# Altium PCB SAMW25_Xplained_Pro.PcbDoc (part 3 of 9)
Units mm, origin at the board's own origin, x right, y up, seen from the top; angles counter-clockwise.
Board outline 60 x 60 mm, 4 copper layers (Top Layer LF-signals, GND, POWER, Bottom Layer LF-signals), stack 1.602 mm thick; 139 components, 107 nets, 540 pads, 303 vias.
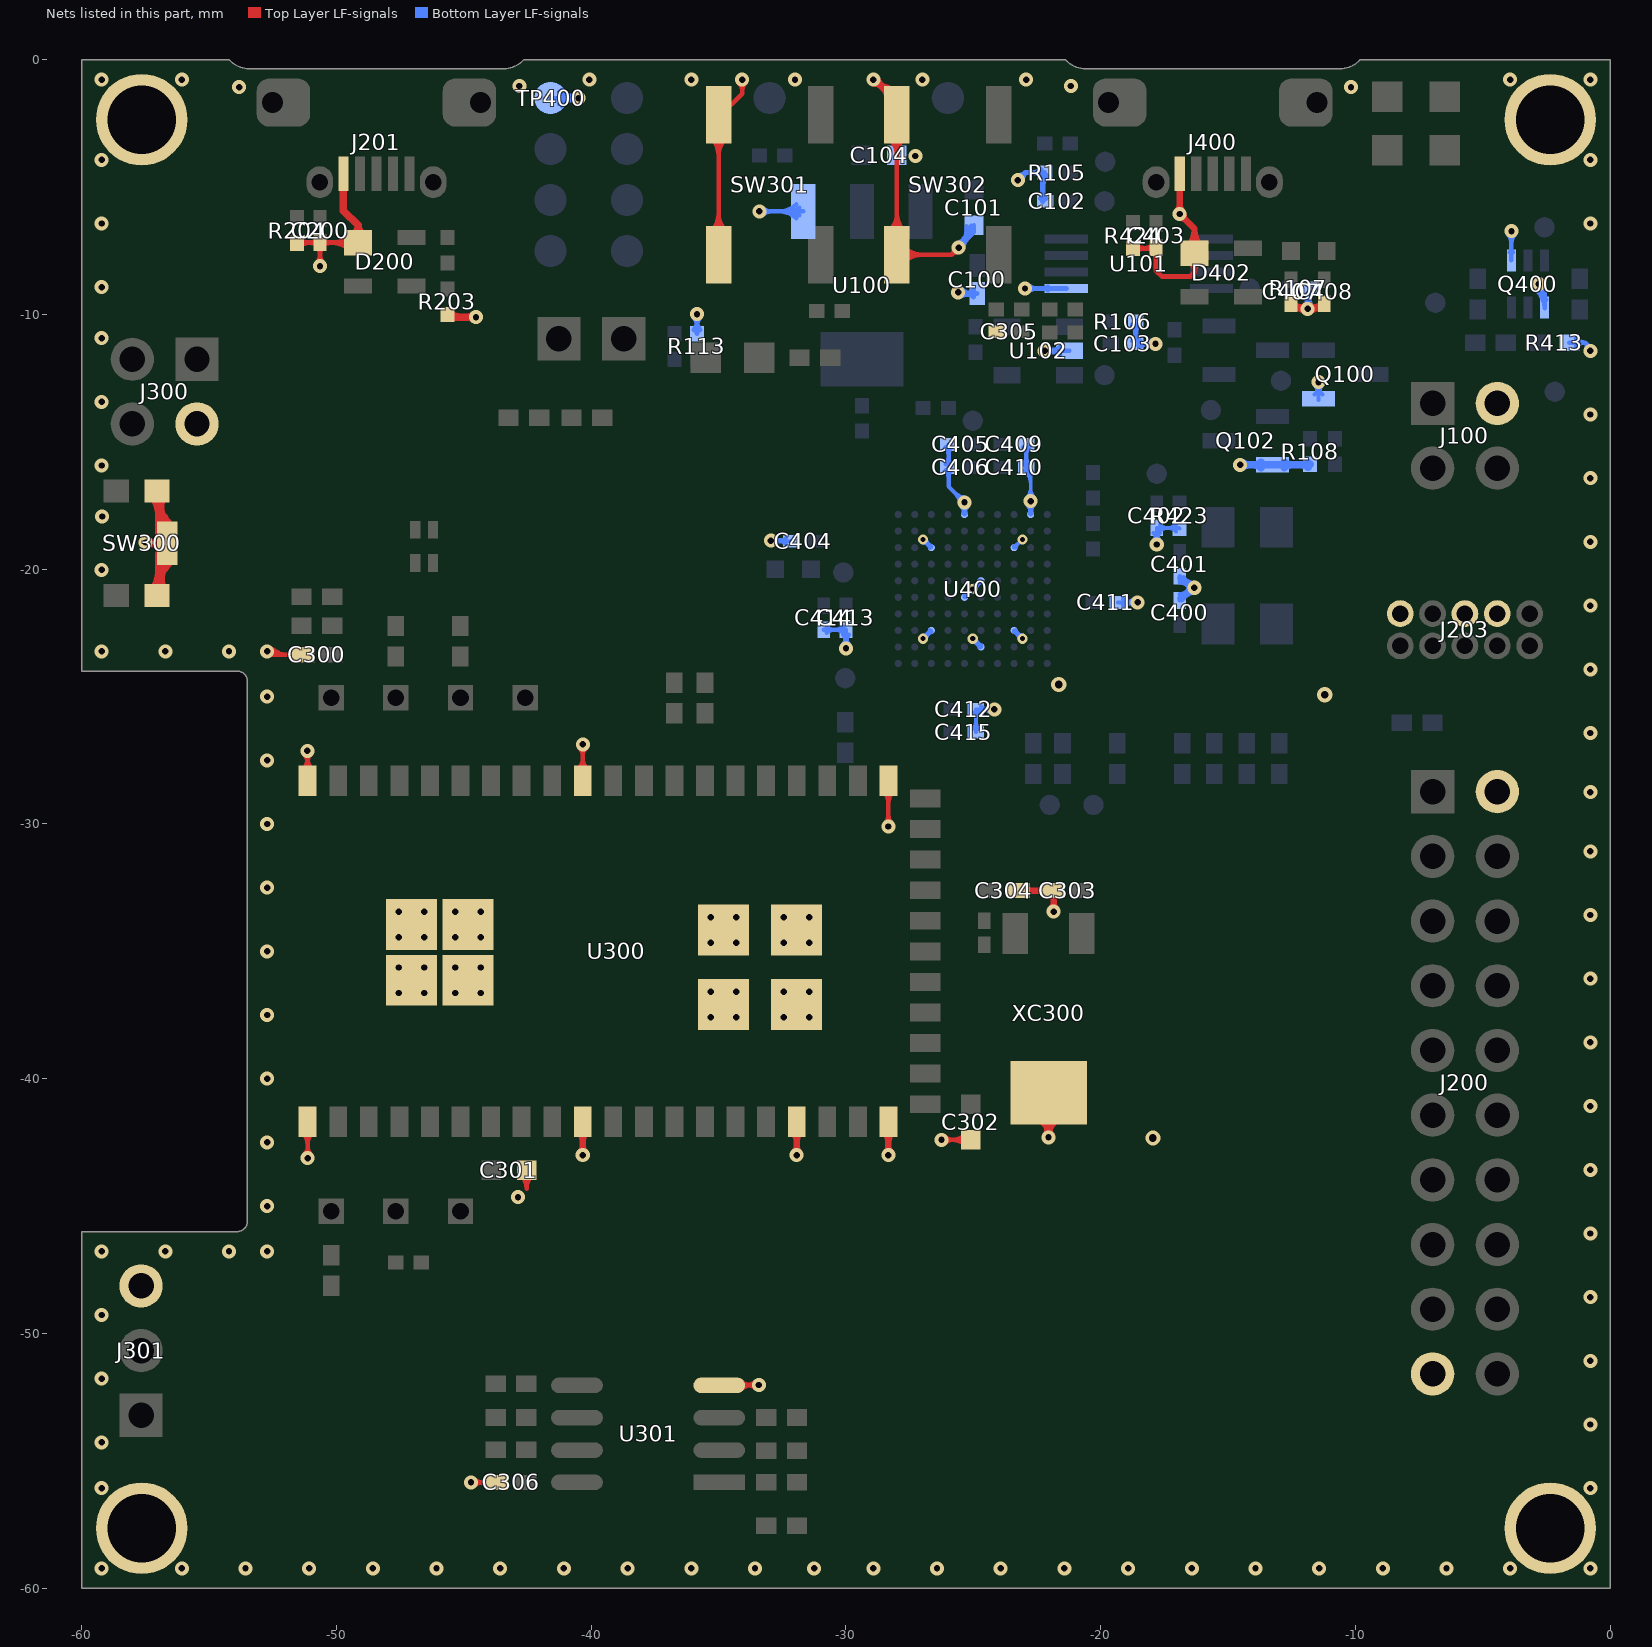
[diagram p5: the nets of this part, all layers, seen from the top]

## Via types
v1: diameter 0.55, hole 0.25, Top Layer LF-signals to Bottom Layer LF-signals, tented both sides, 213 vias
v2: diameter 0.55, hole 0.25, Top Layer LF-signals to Bottom Layer LF-signals, 46 vias
v3: diameter 0.55/0.8 (per signal layer), hole 0.25, Top Layer LF-signals to Bottom Layer LF-signals, tented top, 18 vias
v4: diameter 0.4, hole 0.2, Top Layer LF-signals to Bottom Layer LF-signals, 15 vias
v5: diameter 0.55, hole 0.25, Top Layer LF-signals to Bottom Layer LF-signals, tented top, 8 vias
v6: diameter 0.6, hole 0.3, Top Layer LF-signals to Bottom Layer LF-signals, tented both sides, 3 vias

## Nets (pads, with @x,y where several pads share a name; then routed paths per layer and width w, separated by ;. In a path a pad name is that pad's centre, name@x,y a point inside that pad or via, vN(x,y) a via of type N, cw(c..) or ccw(c..) an arc to the next point about the centre after c; other vN are vias at no path point) (continued)
GND: C100.2 C101.2 C102.2 C103.2 C104.2 C200.1 C300.2 C301.2 C302.2 C303.2 C304.2 C305.2 C306.2 C400.2 C401.2 C402.2 C403.1 C404.2 C405.2 C406.2 C407.2 C408.2 C409.2 C410.2 C411.2 C412.2 C413.2 C414.2 C415.2 D200.1 D402.1 J100.2@-4.43,-13.49 J200.2@-4.43,-28.73 J200.19@-6.97,-51.59 J201.5 J203.3 J203.5 J203.9 J300.2 J301.3 J400.5 pad.666 Q100.1 Q102.2 Q400.1 Q400.4 R105.1 R106.1 R107.1 R108.1 R113.1 R203.1 R204.1 R413.1 R423.1 R424.1 SW300.1 SW300.3 SW300.5 SW301.1 SW301.2 SW302.1 SW302.2 TP400.1 U100.1 U101.5 U102.2 U300.0 U300.1 U300.10 U300.17 U300.20 U300.32 U300.42 U300.51 U301.4 U400.B10 U400.C3 U400.C8 U400.E2 U400.E6 U400.F5 U400.F10 U400.H3 U400.H8 XC300.3 | length 659.3
  Top Layer LF-signals w0.175: v1(-57.5,-18.95) -57.475,-18.975 SW300.5@-56.65,-18.975 -57.05,-18.575 SW300.1@-57.05,-16.925 ; SW300.3@-57.05,-21.025 SW300.5@-57.05,-19.375 ; v1@-52.6,-23.35 C300.2@-51.325,-23.35 ; v1(-51.15,-27.125) -51.135,-27.14 U300.51@-51.135,-28.296 ; v1@-51.135,-43.117 U300.1@-51.135,-41.696 ; v1(-44.725,-55.85) C306.2@-43.7,-55.85 ; C301.2@-42.744,-43.808 cw(c-43.245,-44.309) -42.537,-44.309 cw(c-41.828,-44.309) C301.2@-42.329,-43.808 ; -42.537,-44.312 C301.2@-42.537,-43.6 ; U300.42@-40.335,-28.296 v1@-40.335,-26.875 ; SW301.1@-35,-7.65 SW301.2@-35,-2.15 ; U301.4@-34.96,-52.025 v1(-33.425,-52.025) ; SW301.2@-34.95,-2.75 -34.95,-2.2 -34.075,-1.325 v1(-34.075,-0.775) ; v1(-28.335,-30.1) U300.32@-28.335,-28.296 ; SW302.1@-28.292,-6.733 ccw(c-28.996,-6.029) -28,-6.029 ccw(c-27.004,-6.029) SW302.1@-27.708,-6.733 ; SW302.1@-28.168,-6.857 ccw(c-28.573,-6.452) -28,-6.452 ccw(c-27.427,-6.452) SW302.1@-27.832,-6.857 ; SW302.1@-27.975,-7.675 SW302.1@-28,-7.65 ; SW302.1@-27.832,-7.818 cw(c-27.427,-8.223) -27.427,-7.65 cw(c-27.427,-7.077) SW302.1@-27.832,-7.482 ; SW302.1@-27.708,-7.942 cw(c-27.004,-8.646) -27.004,-7.65 cw(c-27.004,-6.654) SW302.1@-27.708,-7.358 ; v1(-26.25,-42.4) v1(-26.25,-42.4) C302.2@-25.11,-42.399 ; v1@-25.761,-7.396 cw(c-26.069,-7.431) -25.85,-7.65 ; v1@-25.596,-7.561 ccw(c-25.631,-7.869) -25.85,-7.65 ; v1(-25.575,-7.375) -25.85,-7.65 ; v1(-22.05,-42.3) v1@-22.046,-42.296 ; XC300.3@-22.046,-40.549 v1@-22.046,-42.296 ; v1@-57.406,-19.112 cw(c-57.179,-19.506) -57.061,-19.067 ; v1@-57.406,-19.112 cw(c-57.179,-19.506) -57.061,-19.067 ; v1@-57.406,-19.112 cw(c-57.179,-19.506) -57.061,-19.067 ; v1@-57.406,-19.112 cw(c-57.179,-19.506) -57.061,-19.067 ; v1@-57.406,-19.112 cw(c-57.179,-19.506) -57.061,-19.067 ; v1@-57.406,-19.112 cw(c-57.179,-19.506) -57.061,-19.067 ; v1@-57.404,-18.975 cw(c-57.404,-19.729) SW300.5@-56.871,-19.196 ; v1@-57.404,-18.975 ccw(c-57.404,-18.221) SW300.5@-56.871,-18.754 ; v1@-57.404,-18.975 ccw(c-57.404,-18.221) SW300.5@-56.871,-18.754 ; v1@-57.404,-18.975 cw(c-57.404,-19.729) SW300.5@-56.871,-19.196 ; v1@-57.404,-18.975 ccw(c-57.404,-18.221) SW300.5@-56.871,-18.754 ; v1@-57.404,-18.975 cw(c-57.404,-19.729) SW300.5@-56.871,-19.196 ; v1@-57.367,-19.083 cw(c-57.108,-19.342) -57.108,-18.975 ; v1@-57.367,-19.083 cw(c-57.108,-19.342) -57.108,-18.975 ; v1@-57.367,-19.083 cw(c-57.108,-19.342) -57.108,-18.975 ; v1@-57.367,-18.817 ccw(c-56.987,-18.437) SW300.5@-56.987,-18.975 ; v1@-57.367,-18.817 ccw(c-56.987,-18.437) SW300.5@-56.987,-18.975 ; v1@-57.367,-18.817 ccw(c-56.987,-18.437) SW300.5@-56.987,-18.975 ; v1@-57.362,-18.823 ccw(c-57.175,-18.649) -57.109,-18.896 ; v1@-57.362,-18.823 ccw(c-57.175,-18.649) -57.109,-18.896 ; v1@-57.362,-18.823 ccw(c-57.175,-18.649) -57.109,-18.896 ; v1@-57.362,-18.823 ccw(c-57.175,-18.649) -57.109,-18.896 ; v1@-57.362,-18.823 ccw(c-57.175,-18.649) -57.109,-18.896 ; v1@-57.362,-18.823 ccw(c-57.175,-18.649) -57.109,-18.896 ; v1@-57.338,-19.044 cw(c-57.09,-19.187) -57.164,-18.911 ; v1@-57.338,-19.044 cw(c-57.09,-19.187) -57.164,-18.911 ; v1@-57.338,-19.044 cw(c-57.09,-19.187) -57.164,-18.911 ; v1@-57.338,-19.044 cw(c-57.09,-19.187) -57.164,-18.911 ; v1@-57.338,-19.044 cw(c-57.09,-19.187) -57.164,-18.911 ; v1@-57.338,-19.044 cw(c-57.09,-19.187) -57.164,-18.911 ; v1@-57.338,-18.856 ccw(c-56.947,-18.631) -57.064,-19.066 ; v1@-57.338,-18.856 ccw(c-56.947,-18.631) -57.064,-19.066 ; v1@-57.338,-18.856 ccw(c-56.947,-18.631) -57.064,-19.066 ; v1@-57.338,-18.856 ccw(c-56.947,-18.631) -57.064,-19.066 ; v1@-57.338,-18.856 ccw(c-56.947,-18.631) -57.064,-19.066 ; v1@-57.338,-18.856 ccw(c-56.947,-18.631) -57.064,-19.066 ; SW300.3@-57.306,-20.769 ccw(c-57.925,-20.15) -57.05,-20.15 ; SW300.3@-57.306,-20.769 ccw(c-57.925,-20.15) -57.05,-20.15 ; SW300.3@-57.306,-20.769 ccw(c-57.925,-20.15) -57.05,-20.15 ; SW300.1@-57.306,-17.181 cw(c-57.925,-17.8) -57.05,-17.8 ; SW300.1@-57.306,-17.181 cw(c-57.925,-17.8) -57.05,-17.8 ; SW300.1@-57.306,-17.181 cw(c-57.925,-17.8) -57.05,-17.8 ; SW300.3@-57.201,-20.723 ccw(c-57.46,-20.333) -57.001,-20.426 ; SW300.3@-57.201,-20.723 ccw(c-57.46,-20.333) -57.001,-20.426 ; SW300.3@-57.201,-20.723 ccw(c-57.46,-20.333) -57.001,-20.426 ; SW300.3@-57.201,-20.723 ccw(c-57.46,-20.333) -57.001,-20.426 ; SW300.3@-57.201,-20.723 ccw(c-57.46,-20.333) -57.001,-20.426 ; SW300.1@-57.201,-17.227 cw(c-57.448,-17.597) -57.012,-17.51 ; SW300.1@-57.201,-17.227 cw(c-57.448,-17.597) -57.012,-17.51 ; SW300.1@-57.201,-17.227 cw(c-57.448,-17.597) -57.012,-17.51 ; SW300.1@-57.201,-17.227 cw(c-57.448,-17.597) -57.012,-17.51 ; SW300.1@-57.201,-17.227 cw(c-57.448,-17.597) -57.012,-17.51 ; SW300.3@-57.183,-20.892 ccw(c-57.503,-20.572) -57.05,-20.572 ; SW300.3@-57.183,-20.892 ccw(c-57.503,-20.572) -57.05,-20.572 ; SW300.3@-57.183,-20.892 ccw(c-57.503,-20.572) -57.05,-20.572 ; SW300.1@-57.183,-17.058 cw(c-57.503,-17.378) -57.05,-17.378 ; SW300.1@-57.183,-17.058 cw(c-57.503,-17.378) -57.05,-17.378 ; SW300.1@-57.183,-17.058 cw(c-57.503,-17.378) -57.05,-17.378 ; SW300.3@-57.181,-20.711 ccw(c-57.558,-20.058) -56.83,-20.253 ; SW300.3@-57.181,-20.711 ccw(c-57.558,-20.058) -56.83,-20.253 ; SW300.3@-57.181,-20.711 ccw(c-57.558,-20.058) -56.83,-20.253 ; SW300.3@-57.181,-20.711 ccw(c-57.558,-20.058) -56.83,-20.253 ; SW300.3@-57.181,-20.711 ccw(c-57.558,-20.058) -56.83,-20.253 ; SW300.1@-57.181,-17.239 cw(c-57.536,-17.854) -56.85,-17.67 ; SW300.1@-57.181,-17.239 cw(c-57.536,-17.854) -56.85,-17.67 ; SW300.1@-57.181,-17.239 cw(c-57.536,-17.854) -56.85,-17.67 ; SW300.1@-57.181,-17.239 cw(c-57.536,-17.854) -56.85,-17.67 ; SW300.1@-57.181,-17.239 cw(c-57.536,-17.854) -56.85,-17.67 ; -57.11,-18.942 cw(c-57.176,-19.189) SW300.5@-56.94,-19.093 ; -57.11,-18.942 ccw(c-57.073,-18.803) SW300.5@-56.939,-18.857 ; -57.11,-18.942 cw(c-57.176,-19.189) SW300.5@-56.94,-19.093 ; -57.11,-18.942 ccw(c-57.073,-18.803) SW300.5@-56.939,-18.857 ; -57.11,-18.942 ccw(c-57.073,-18.803) SW300.5@-56.939,-18.857 ; -57.11,-18.942 cw(c-57.176,-19.189) SW300.5@-56.94,-19.093 ; SW300.3@-57.05,-21.074 cw(c-55.098,-21.074) SW300.5@-56.436,-19.653 ; SW300.3@-57.05,-21.074 cw(c-55.098,-21.074) SW300.5@-56.436,-19.653 ; SW300.3@-57.05,-21.074 cw(c-55.098,-21.074) SW300.5@-56.436,-19.653 ; SW300.3@-57.05,-20.669 cw(c-55.479,-20.669) SW300.5@-56.556,-19.525 ; SW300.3@-57.05,-20.669 cw(c-55.479,-20.669) SW300.5@-56.556,-19.525 ; SW300.3@-57.05,-20.669 cw(c-55.479,-20.669) SW300.5@-56.556,-19.525 ; -57.05,-20.572 ccw(c-56.597,-20.572) SW300.3@-56.917,-20.892 ; -57.05,-20.572 ccw(c-56.597,-20.572) SW300.3@-56.917,-20.892 ; -57.05,-20.572 ccw(c-56.597,-20.572) SW300.3@-56.917,-20.892 ; -57.05,-20.264 cw(c-55.86,-20.264) SW300.5@-56.676,-19.398 ; -57.05,-20.264 cw(c-55.86,-20.264) SW300.5@-56.676,-19.398 ; -57.05,-20.264 cw(c-55.86,-20.264) SW300.5@-56.676,-19.398 ; -57.05,-20.15 ccw(c-56.175,-20.15) SW300.3@-56.794,-20.769 ; -57.05,-20.15 ccw(c-56.175,-20.15) SW300.3@-56.794,-20.769 ; -57.05,-20.15 ccw(c-56.175,-20.15) SW300.3@-56.794,-20.769 ; -57.05,-19.859 cw(c-56.241,-19.859) SW300.5@-56.796,-19.27 ; -57.05,-19.859 cw(c-56.241,-19.859) SW300.5@-56.796,-19.27 ; -57.05,-19.859 cw(c-56.241,-19.859) SW300.5@-56.796,-19.27 ; SW300.5@-57.05,-19.454 cw(c-56.623,-19.454) SW300.5@-56.916,-19.143 ; SW300.5@-57.05,-19.454 cw(c-56.623,-19.454) SW300.5@-56.916,-19.143 ; SW300.5@-57.05,-19.454 cw(c-56.623,-19.454) SW300.5@-56.916,-19.143 ; SW300.5@-57.05,-18.497 ccw(c-56.625,-18.497) SW300.5@-56.909,-18.813 ; SW300.5@-57.05,-18.497 ccw(c-56.625,-18.497) SW300.5@-56.909,-18.813 ; SW300.5@-57.05,-18.497 ccw(c-56.625,-18.497) SW300.5@-56.909,-18.813 ; -57.05,-18.104 ccw(c-56.271,-18.104) SW300.5@-56.792,-18.683 ; -57.05,-18.104 ccw(c-56.271,-18.104) SW300.5@-56.792,-18.683 ; -57.05,-18.104 ccw(c-56.271,-18.104) SW300.5@-56.792,-18.683 ; -57.05,-17.8 cw(c-56.175,-17.8) SW300.1@-56.794,-17.181 ; -57.05,-17.8 cw(c-56.175,-17.8) SW300.1@-56.794,-17.181 ; -57.05,-17.8 cw(c-56.175,-17.8) SW300.1@-56.794,-17.181 ; -57.05,-17.711 ccw(c-55.917,-17.711) SW300.5@-56.675,-18.553 ; -57.05,-17.711 ccw(c-55.917,-17.711) SW300.5@-56.675,-18.553 ; -57.05,-17.711 ccw(c-55.917,-17.711) SW300.5@-56.675,-18.553 ; -57.05,-17.378 cw(c-56.597,-17.378) SW300.1@-56.917,-17.058 ; -57.05,-17.378 cw(c-56.597,-17.378) SW300.1@-56.917,-17.058 ; -57.05,-17.378 cw(c-56.597,-17.378) SW300.1@-56.917,-17.058 ; SW300.1@-57.05,-17.318 ccw(c-55.564,-17.318) SW300.5@-56.558,-18.423 ; SW300.1@-57.05,-17.318 ccw(c-55.564,-17.318) SW300.5@-56.558,-18.423 ; SW300.1@-57.05,-17.318 ccw(c-55.564,-17.318) SW300.5@-56.558,-18.423 ; SW300.1@-57.05,-16.925 ccw(c-55.21,-16.925) SW300.5@-56.441,-18.293 ; SW300.1@-57.05,-16.925 ccw(c-55.21,-16.925) SW300.5@-56.441,-18.293 ; SW300.1@-57.05,-16.925 ccw(c-55.21,-16.925) SW300.5@-56.441,-18.293 ; -57.009,-19.937 cw(c-56.651,-20.158) SW300.5@-56.651,-19.737 ; -57.009,-19.937 ccw(c-57.461,-19.658) SW300.5@-56.95,-19.511 ; -57.009,-19.937 cw(c-56.651,-20.158) SW300.5@-56.651,-19.737 ; -57.009,-19.937 ccw(c-57.461,-19.658) SW300.5@-56.95,-19.511 ; -57.009,-19.937 ccw(c-57.461,-19.658) SW300.5@-56.95,-19.511 ; -57.009,-19.937 cw(c-56.651,-20.158) SW300.5@-56.651,-19.737 ; -57.003,-18.048 cw(c-57.39,-18.299) SW300.5@-56.949,-18.434 ; -57.003,-18.048 ccw(c-56.697,-17.849) SW300.5@-56.672,-18.213 ; -57.003,-18.048 cw(c-57.39,-18.299) SW300.5@-56.949,-18.434 ; -57.003,-18.048 ccw(c-56.697,-17.849) SW300.5@-56.672,-18.213 ; -57.003,-18.048 ccw(c-56.697,-17.849) SW300.5@-56.672,-18.213 ; -57.003,-18.048 cw(c-57.39,-18.299) SW300.5@-56.949,-18.434 ; -56.995,-17.592 cw(c-56.681,-17.529) SW300.1@-56.831,-17.246 ; -56.995,-17.592 cw(c-56.681,-17.529) SW300.1@-56.831,-17.246 ; -56.995,-17.592 cw(c-56.681,-17.529) SW300.1@-56.831,-17.246 ; -56.995,-17.592 cw(c-56.681,-17.529) SW300.1@-56.831,-17.246 ; -56.995,-17.592 cw(c-56.681,-17.529) SW300.1@-56.831,-17.246 ; -56.984,-20.341 ccw(c-56.641,-20.41) SW300.3@-56.817,-20.712 ; -56.984,-20.341 ccw(c-56.641,-20.41) SW300.3@-56.817,-20.712 ; -56.984,-20.341 ccw(c-56.641,-20.41) SW300.3@-56.817,-20.712 ; -56.984,-20.341 ccw(c-56.641,-20.41) SW300.3@-56.817,-20.712 ; -56.984,-20.341 ccw(c-56.641,-20.41) SW300.3@-56.817,-20.712 ; -56.949,-20.16 ccw(c-57.457,-19.846) SW300.5@-56.927,-19.57 ; -56.949,-20.16 ccw(c-57.457,-19.846) SW300.5@-56.927,-19.57 ; -56.949,-20.16 ccw(c-57.457,-19.846) SW300.5@-56.927,-19.57 ; -56.945,-17.827 cw(c-57.393,-18.119) SW300.5@-56.924,-18.375 ; -56.945,-17.827 cw(c-57.393,-18.119) SW300.5@-56.924,-18.375 ; -56.945,-17.827 cw(c-57.393,-18.119) SW300.5@-56.924,-18.375 ; -56.92,-17.412 cw(c-56.492,-17.298) SW300.1@-56.849,-17.036 ; -56.92,-17.412 cw(c-56.492,-17.298) SW300.1@-56.849,-17.036 ; -56.92,-17.412 cw(c-56.492,-17.298) SW300.1@-56.849,-17.036 ; -56.92,-17.412 cw(c-56.492,-17.298) SW300.1@-56.849,-17.036 ; -56.92,-17.412 cw(c-56.492,-17.298) SW300.1@-56.849,-17.036 ; -56.905,-20.535 ccw(c-56.442,-20.659) SW300.3@-56.843,-20.922 ; -56.905,-20.535 ccw(c-56.442,-20.659) SW300.3@-56.843,-20.922 ; -56.905,-20.535 ccw(c-56.442,-20.659) SW300.3@-56.843,-20.922 ; -56.905,-20.535 ccw(c-56.442,-20.659) SW300.3@-56.843,-20.922 ; -56.905,-20.535 ccw(c-56.442,-20.659) SW300.3@-56.843,-20.922 ; SW300.5@-56.872,-18.305 ccw(c-57.172,-18.007) -56.831,-17.758 ; SW300.5@-56.872,-18.305 ccw(c-57.172,-18.007) -56.831,-17.758 ; SW300.5@-56.872,-18.305 ccw(c-57.172,-18.007) -56.831,-17.758 ; SW300.5@-56.867,-19.65 cw(c-57.152,-19.947) -56.817,-20.187 ; SW300.5@-56.867,-19.65 cw(c-57.152,-19.947) -56.817,-20.187 ; SW300.5@-56.867,-19.65 cw(c-57.152,-19.947) -56.817,-20.187 ; -56.825,-17.764 cw(c-56.116,-17.574) SW300.1@-56.708,-17.14 ; -56.825,-17.764 cw(c-56.116,-17.574) SW300.1@-56.708,-17.14 ; -56.825,-17.764 cw(c-56.116,-17.574) SW300.1@-56.708,-17.14 ; -56.825,-17.764 cw(c-56.116,-17.574) SW300.1@-56.708,-17.14 ; -56.825,-17.764 cw(c-56.116,-17.574) SW300.1@-56.708,-17.14 ; -56.804,-20.158 ccw(c-56.004,-20.372) SW300.3@-56.697,-20.826 ; -56.804,-20.158 ccw(c-56.004,-20.372) SW300.3@-56.697,-20.826 ; -56.804,-20.158 ccw(c-56.004,-20.372) SW300.3@-56.697,-20.826 ; -56.804,-20.158 ccw(c-56.004,-20.372) SW300.3@-56.697,-20.826 ; -56.804,-20.158 ccw(c-56.004,-20.372) SW300.3@-56.697,-20.826 ; -56.787,-19.899 ccw(c-57.14,-19.681) SW300.5@-56.772,-19.489 ; -56.787,-19.899 ccw(c-57.14,-19.681) SW300.5@-56.772,-19.489 ; -56.787,-19.899 ccw(c-57.14,-19.681) SW300.5@-56.772,-19.489 ; -56.785,-18.073 cw(c-57.101,-18.278) SW300.5@-56.771,-18.459 ; -56.785,-18.073 cw(c-57.101,-18.278) SW300.5@-56.771,-18.459 ; -56.785,-18.073 cw(c-57.101,-18.278) SW300.5@-56.771,-18.459 ; -56.775,-18.089 ccw(c-56.523,-17.925) SW300.5@-56.585,-18.219 ; -56.775,-18.089 ccw(c-56.523,-17.925) SW300.5@-56.585,-18.219 ; -56.775,-18.089 ccw(c-56.523,-17.925) SW300.5@-56.585,-18.219 ; -56.765,-19.864 cw(c-56.509,-20.022) SW300.5@-56.578,-19.729 ; -56.765,-19.864 cw(c-56.509,-20.022) SW300.5@-56.578,-19.729 ; -56.765,-19.864 cw(c-56.509,-20.022) SW300.5@-56.578,-19.729 ; SW300.5@-56.748,-18.428 ccw(c-57.024,-18.154) -56.71,-17.924 ; SW300.5@-56.748,-18.428 ccw(c-57.024,-18.154) -56.71,-17.924 ; SW300.5@-56.748,-18.428 ccw(c-57.024,-18.154) -56.71,-17.924 ; SW300.5@-56.745,-19.524 cw(c-57.01,-19.8) -56.699,-20.022 ; SW300.5@-56.745,-19.524 cw(c-57.01,-19.8) -56.699,-20.022 ; SW300.5@-56.745,-19.524 cw(c-57.01,-19.8) -56.699,-20.022 ; SW300.5@-56.624,-19.398 cw(c-56.868,-19.652) -56.581,-19.857 ; SW300.5@-56.624,-19.398 cw(c-56.868,-19.652) -56.581,-19.857 ; SW300.5@-56.624,-19.398 cw(c-56.868,-19.652) -56.581,-19.857 ; SW300.5@-56.623,-18.551 ccw(c-56.877,-18.3) -56.589,-18.09 ; SW300.5@-56.623,-18.551 ccw(c-56.877,-18.3) -56.589,-18.09 ; SW300.5@-56.623,-18.551 ccw(c-56.877,-18.3) -56.589,-18.09 ; v1@-52.716,-23.216 ccw(c-52.393,-22.893) -52.393,-23.35 ; v1@-52.716,-23.216 ccw(c-52.393,-22.893) -52.393,-23.35 ; v1@-52.716,-23.216 ccw(c-52.393,-22.893) -52.393,-23.35 ; v1@-52.715,-23.232 cw(c-52.552,-23.344) -52.453,-23.173 ; v1@-52.715,-23.232 cw(c-52.552,-23.344) -52.453,-23.173 ; v1@-52.715,-23.232 cw(c-52.552,-23.344) -52.453,-23.173 ; v1@-52.592,-23.092 ccw(c-51.971,-22.471) -51.971,-23.35 ; v1@-52.592,-23.092 ccw(c-51.971,-22.471) -51.971,-23.35 ; v1@-52.592,-23.092 ccw(c-51.971,-22.471) -51.971,-23.35 ; v1@-52.571,-23.331 cw(c-52.395,-23.452) -52.289,-23.268 ; v1@-52.571,-23.331 cw(c-52.395,-23.452) -52.289,-23.268 ; v1@-52.571,-23.331 cw(c-52.395,-23.452) -52.289,-23.268 ; -51.988,-23.35 cw(c-51.988,-23.863) C300.2@-51.625,-23.5 ; -51.988,-23.35 ccw(c-51.988,-22.837) C300.2@-51.625,-23.2 ; -51.988,-23.35 ccw(c-51.988,-22.837) C300.2@-51.625,-23.2 ; -51.988,-23.35 cw(c-51.988,-23.863) C300.2@-51.625,-23.5 ; -51.988,-23.35 ccw(c-51.988,-22.837) C300.2@-51.625,-23.2 ; -51.988,-23.35 cw(c-51.988,-23.863) C300.2@-51.625,-23.5 ; U300.1@-51.321,-42.132 cw(c-51.769,-42.58) -51.135,-42.58 ; U300.1@-51.321,-42.132 cw(c-51.769,-42.58) -51.135,-42.58 ; U300.1@-51.321,-42.132 cw(c-51.769,-42.58) -51.135,-42.58 ; U300.51@-51.321,-27.861 ccw(c-51.769,-27.412) -51.135,-27.412 ; U300.51@-51.321,-27.861 ccw(c-51.769,-27.412) -51.135,-27.412 ; U300.51@-51.321,-27.861 ccw(c-51.769,-27.412) -51.135,-27.412 ; v1@-51.283,-27.258 cw(c-51.638,-27.613) -51.135,-27.613 ; v1@-51.283,-27.258 cw(c-51.638,-27.613) -51.135,-27.613 ; v1@-51.283,-27.258 cw(c-51.638,-27.613) -51.135,-27.613 ; v1@-51.268,-42.985 ccw(c-51.589,-42.664) -51.135,-42.664 ; v1@-51.268,-42.985 ccw(c-51.589,-42.664) -51.135,-42.664 ; v1@-51.268,-42.985 ccw(c-51.589,-42.664) -51.135,-42.664 ; -51.135,-42.665 ccw(c-50.683,-42.665) v1@-51.003,-42.985 ; -51.135,-42.665 ccw(c-50.683,-42.665) v1@-51.003,-42.985 ; -51.135,-42.665 ccw(c-50.683,-42.665) v1@-51.003,-42.985 ; -51.135,-42.58 cw(c-50.501,-42.58) U300.1@-50.95,-42.132 ; -51.135,-42.58 cw(c-50.501,-42.58) U300.1@-50.95,-42.132 ; -51.135,-42.58 cw(c-50.501,-42.58) U300.1@-50.95,-42.132 ; -51.135,-27.542 cw(c-50.733,-27.542) v1@-51.017,-27.258 ; -51.135,-27.542 cw(c-50.733,-27.542) v1@-51.017,-27.258 ; -51.135,-27.542 cw(c-50.733,-27.542) v1@-51.017,-27.258 ; -51.135,-27.412 ccw(c-50.501,-27.412) U300.51@-50.95,-27.861 ; -51.135,-27.412 ccw(c-50.501,-27.412) U300.51@-50.95,-27.861 ; -51.135,-27.412 ccw(c-50.501,-27.412) U300.51@-50.95,-27.861 ; v1@-44.592,-55.983 cw(c-44.272,-56.303) -44.272,-55.85 ; v1@-44.592,-55.983 cw(c-44.272,-56.303) -44.272,-55.85 ; v1@-44.592,-55.983 cw(c-44.272,-56.303) -44.272,-55.85 ; v1@-44.592,-55.717 ccw(c-44.272,-55.397) -44.272,-55.85 ; v1@-44.592,-55.717 ccw(c-44.272,-55.397) -44.272,-55.85 ; v1@-44.592,-55.717 ccw(c-44.272,-55.397) -44.272,-55.85 ; -44.363,-55.85 cw(c-44.363,-56.363) C306.2@-44,-56 ; -44.363,-55.85 ccw(c-44.363,-55.337) C306.2@-44,-55.7 ; -44.363,-55.85 ccw(c-44.363,-55.337) C306.2@-44,-55.7 ; -44.363,-55.85 cw(c-44.363,-56.363) C306.2@-44,-56 ; -44.363,-55.85 ccw(c-44.363,-55.337) C306.2@-44,-55.7 ; -44.363,-55.85 cw(c-44.363,-56.363) C306.2@-44,-56 ; U300.42@-40.521,-27.861 ccw(c-40.969,-27.412) -40.335,-27.412 ; U300.42@-40.521,-27.861 ccw(c-40.969,-27.412) -40.335,-27.412 ; U300.42@-40.521,-27.861 ccw(c-40.969,-27.412) -40.335,-27.412 ; v1@-40.468,-27.008 cw(c-40.787,-27.327) -40.335,-27.327 ; v1@-40.468,-27.008 cw(c-40.787,-27.327) -40.335,-27.327 ; v1@-40.468,-27.008 cw(c-40.787,-27.327) -40.335,-27.327 ; -40.335,-27.412 ccw(c-39.701,-27.412) U300.42@-40.15,-27.861 ; -40.335,-27.412 ccw(c-39.701,-27.412) U300.42@-40.15,-27.861 ; -40.335,-27.412 ccw(c-39.701,-27.412) U300.42@-40.15,-27.861 ; -40.335,-27.328 cw(c-39.882,-27.328) v1@-40.202,-27.008 ; -40.335,-27.328 cw(c-39.882,-27.328) v1@-40.202,-27.008 ; -40.335,-27.328 cw(c-39.882,-27.328) v1@-40.202,-27.008 ; SW301.1@-35.292,-6.733 ccw(c-35.996,-6.029) -35,-6.029 ; SW301.1@-35.292,-6.733 ccw(c-35.996,-6.029) -35,-6.029 ; SW301.1@-35.292,-6.733 ccw(c-35.996,-6.029) -35,-6.029 ; SW301.2@-35.292,-3.067 cw(c-35.996,-3.771) -35,-3.771 ; SW301.2@-35.292,-3.067 cw(c-35.996,-3.771) -35,-3.771 ; SW301.2@-35.292,-3.067 cw(c-35.996,-3.771) -35,-3.771 ; SW301.1@-35.168,-6.857 ccw(c-35.573,-6.452) -35,-6.452 ; SW301.1@-35.168,-6.857 ccw(c-35.573,-6.452) -35,-6.452 ; SW301.1@-35.168,-6.857 ccw(c-35.573,-6.452) -35,-6.452 ; SW301.2@-35.168,-2.943 cw(c-35.573,-3.348) -35,-3.348 ; SW301.2@-35.168,-2.943 cw(c-35.573,-3.348) -35,-3.348 ; SW301.2@-35.168,-2.943 cw(c-35.573,-3.348) -35,-3.348 ; -35,-6.452 ccw(c-34.427,-6.452) SW301.1@-34.832,-6.857 ; -35,-6.452 ccw(c-34.427,-6.452) SW301.1@-34.832,-6.857 ; -35,-6.452 ccw(c-34.427,-6.452) SW301.1@-34.832,-6.857 ; -35,-6.029 ccw(c-34.004,-6.029) SW301.1@-34.708,-6.733 ; -35,-6.029 ccw(c-34.004,-6.029) SW301.1@-34.708,-6.733 ; -35,-6.029 ccw(c-34.004,-6.029) SW301.1@-34.708,-6.733 ; -35,-3.771 cw(c-34.004,-3.771) SW301.2@-34.708,-3.067 ; -35,-3.771 cw(c-34.004,-3.771) SW301.2@-34.708,-3.067 ; -35,-3.771 cw(c-34.004,-3.771) SW301.2@-34.708,-3.067 ; -35,-3.348 cw(c-34.427,-3.348) SW301.2@-34.832,-2.943 ; -35,-3.348 cw(c-34.427,-3.348) SW301.2@-34.832,-2.943 ; -35,-3.348 cw(c-34.427,-3.348) SW301.2@-34.832,-2.943 ; v1@-34.208,-0.908 cw(c-34.528,-1.228) -34.075,-1.228 ; v1@-34.208,-0.908 cw(c-34.528,-1.228) -34.075,-1.228 ; v1@-34.208,-0.908 cw(c-34.528,-1.228) -34.075,-1.228 ; U301.4@-34.11,-52.194 cw(c-33.703,-52.601) -33.703,-52.025 ; U301.4@-34.11,-52.194 cw(c-33.703,-52.601) -33.703,-52.025 ; U301.4@-34.11,-52.194 cw(c-33.703,-52.601) -33.703,-52.025 ; U301.4@-34.11,-51.886 ccw(c-33.775,-51.552) -33.775,-52.025 ; U301.4@-34.11,-51.886 ccw(c-33.775,-51.552) -33.775,-52.025 ; U301.4@-34.11,-51.886 ccw(c-33.775,-51.552) -33.775,-52.025 ; -34.075,-1.228 cw(c-33.622,-1.228) v1@-33.942,-0.908 ; -34.075,-1.228 cw(c-33.622,-1.228) v1@-33.942,-0.908 ; -34.075,-1.228 cw(c-33.622,-1.228) v1@-33.942,-0.908 ; -33.878,-52.025 cw(c-33.878,-52.478) v1@-33.558,-52.158 ; -33.878,-52.025 ccw(c-33.878,-51.572) v1@-33.558,-51.892 ; -33.878,-52.025 ccw(c-33.878,-51.572) v1@-33.558,-51.892 ; -33.878,-52.025 cw(c-33.878,-52.478) v1@-33.558,-52.158 ; -33.878,-52.025 ccw(c-33.878,-51.572) v1@-33.558,-51.892 ; -33.878,-52.025 cw(c-33.878,-52.478) v1@-33.558,-52.158 ; v1@-28.928,-0.787 cw(c-28.995,-1.118) -28.669,-1.031 ; v1@-28.928,-0.787 